# Altium PCB Motor Interface - Copy.PcbDoc (part 2 of 2)
Units mm, origin at the board's own origin, x right, y up, seen from the top; angles counter-clockwise.
Board outline 100 x 100 mm, 2 copper layers (Top Layer, Bottom Layer); 126 components, 84 nets, 401 pads, 309 vias.
Unrouted connection lines stored in the file: 76.
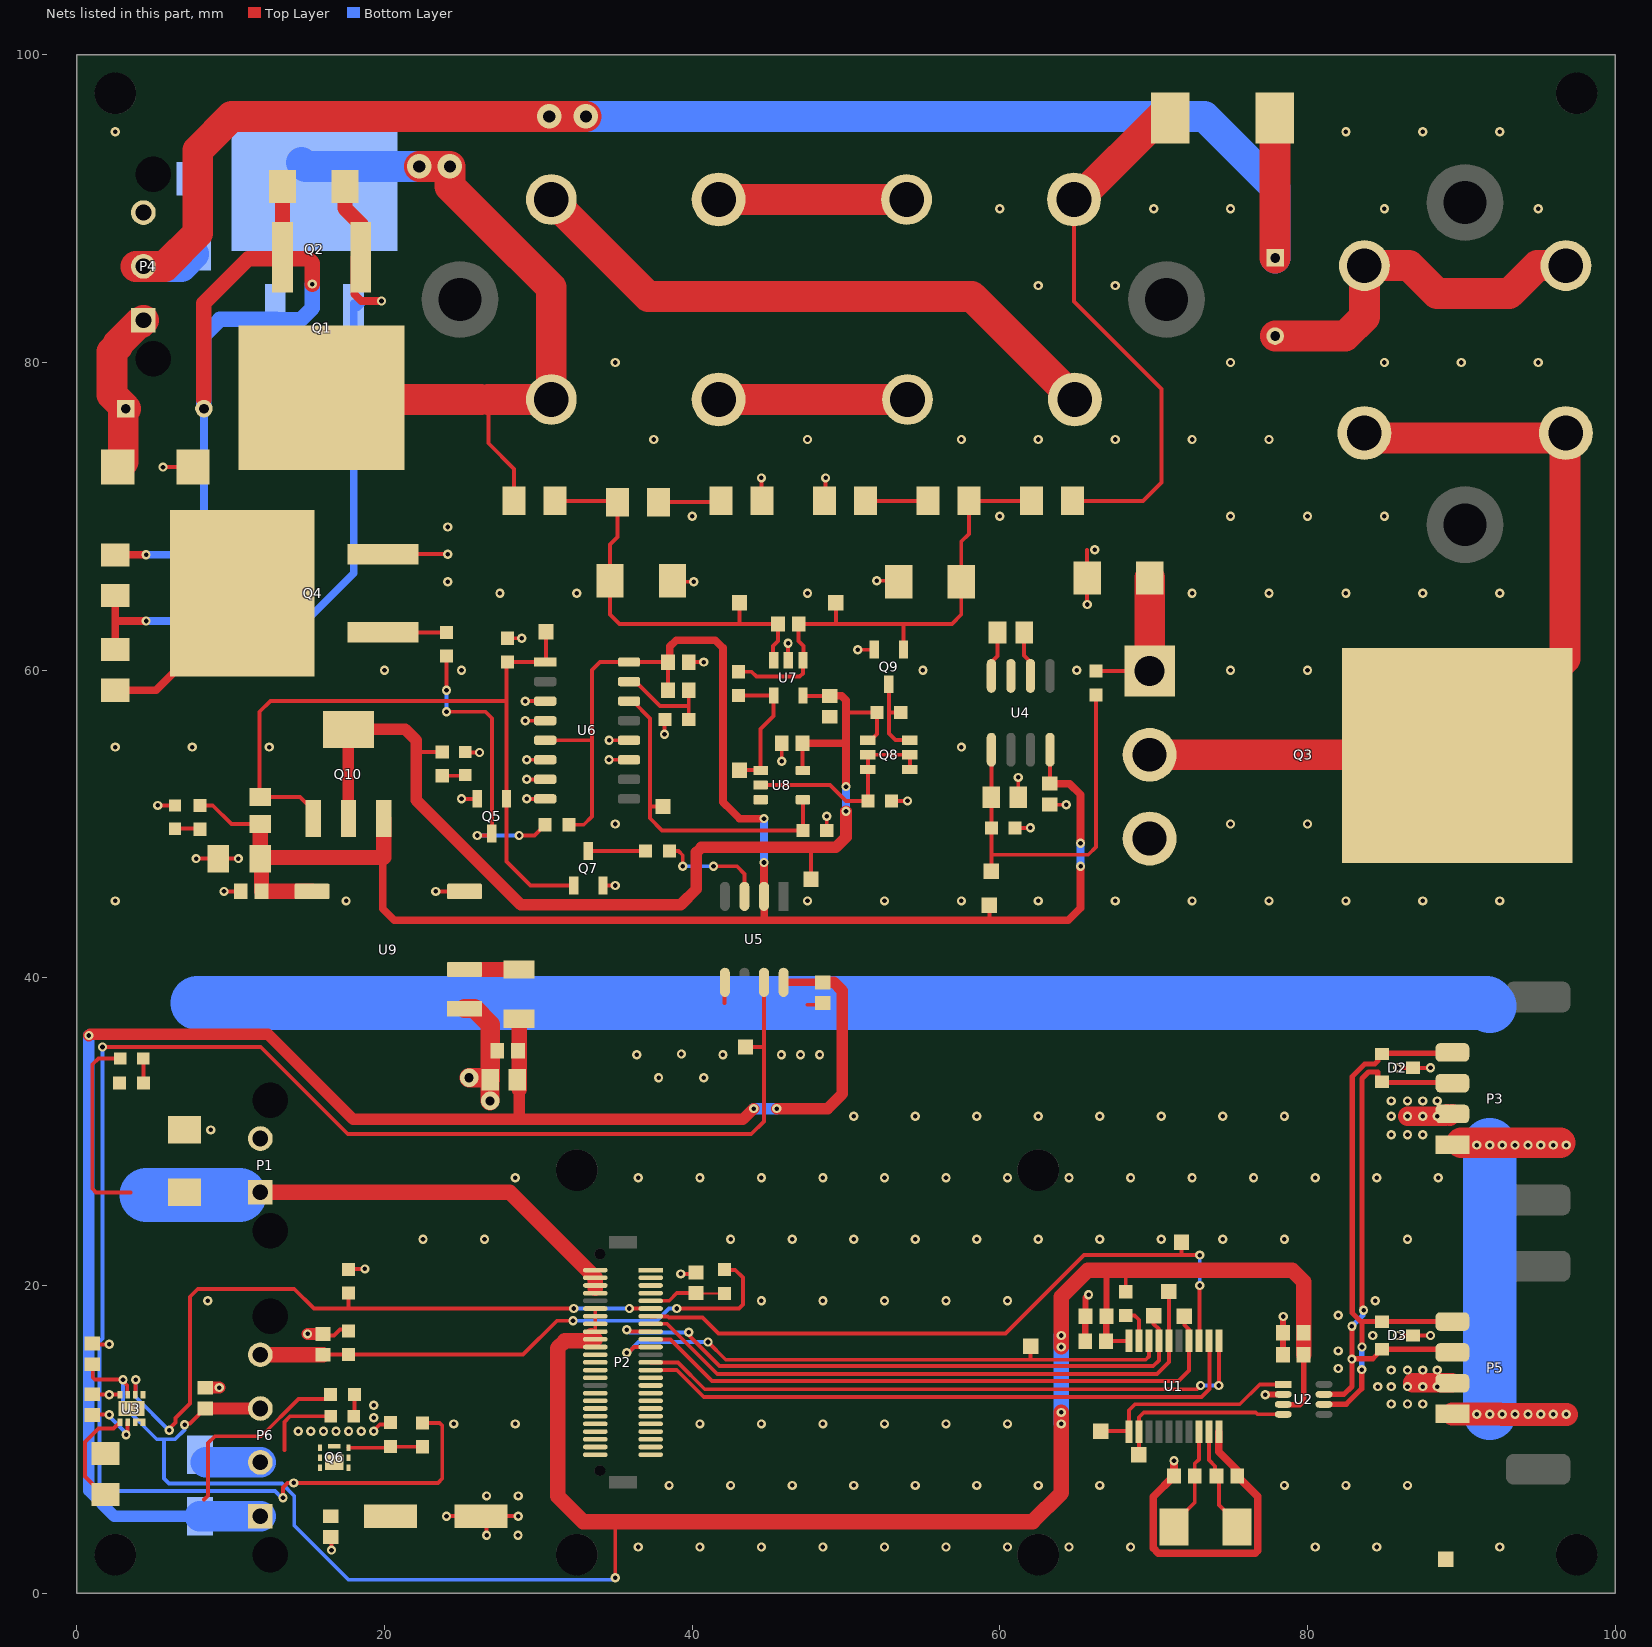
[diagram p2: the nets of this part, all layers, seen from the top]

## Part data (continued)
R11 R12: library part "RES SMD 470K OHM 0.1% 1/4W 1206", "470 kOhms ±0.1% 0.25W, 1/4W Chip Resistor 1206 (3216 Metric) Anti-Sulfur, Automotive AEC-Q200 Thin Film", Case/Package=1206, Case Code (Metric)=3216, Manufacturer=Susumu, Manufacturer Part Number=RG3216P-4703-B-T1, Max Operating Temperature=155°C, Max Power Dissipation=0.25W, Min Operating Temperature=-55°C, Package Quantity=1, Power Rating=125mW, Resistance=470k, Supplier Part Number 1=RG32P470KBDKR-ND, Temperature Coefficient=25ppm/°C, Tolerance=0.1%, Voltage Rating=150V, Voltage Rating (DC)=200V, Case Code (Imperial)=1206, ComponentLink1Description=https://datasheet.ciiva.com/2490/rg-rm-rgh-datasheet-2490488.pdf, ComponentLink1URL=https://datasheet.ciiva.com/2490/rg-rm-rgh-datasheet-2490488.pdf, ComponentLink2Description=https://datasheet.ciiva.com/2490/rg-rm-rgh-datasheet-2490489.pdf, ComponentLink2URL=https://datasheet.ciiva.com/2490/rg-rm-rgh-datasheet-2490489.pdf, ComponentLink3Description=https://datasheet.ciiva.com/2490/rg-rm-rgh-datasheet-2490490.pdf, ComponentLink3URL=https://datasheet.ciiva.com/2490/rg-rm-rgh-datasheet-2490490.pdf, ComponentLink4Description=https://datasheet.ciiva.com/12760/rg-rm-rgh-datasheet-12760397.pdf, ComponentLink4URL=https://datasheet.ciiva.com/12760/rg-rm-rgh-datasheet-12760397.pdf, Composition="Thin Film", Height=0.02inch, Lead Free="Lead Free", Length=0.126inch, Number of Pins=2, Number of Terminations=2, Packaging="Tape and Reel", Pricing 1="1=0.66, 10=0.474, 100=0.2462 (USD)", Stock 1=2986, Supplier 1=Digi-Key, Termination=SMD/SMT, Width=0.063inch
R13: library part "RES SMD 29.4K OHM 1% 1/4W 1206", "29.4 kOhms ±1% 0.25W, 1/4W Chip Resistor 1206 (3216 Metric) Automotive AEC-Q200 Thick Film", Case/Package=1206, Case Code (Metric)=3216, Manufacturer=Panasonic, Manufacturer Part Number=ERJ-8ENF2942V, Max Operating Temperature=155°C, Max Power Dissipation=250mW, Min Operating Temperature=-55°C, Package Quantity=1, Resistance=29.4kR, Supplier Part Number 1=P29.4KFCT-ND, Temperature Coefficient=100ppm/°C, Tolerance=1%, Voltage Rating=200V, Case Code (Imperial)=1206, ComponentLink1Description=https://datasheet.ciiva.com/7861/426256-7861912.pdf, ComponentLink1URL=https://datasheet.ciiva.com/7861/426256-7861912.pdf, ComponentLink2Description=https://datasheet.ciiva.com/24126/aoa0000ce2-24126731.pdf, ComponentLink2URL=https://datasheet.ciiva.com/24126/aoa0000ce2-24126731.pdf, ComponentLink3Description=https://datasheet.ciiva.com/6159/426256-6159628.pdf, ComponentLink3URL=https://datasheet.ciiva.com/6159/426256-6159628.pdf, ComponentLink4Description=https://datasheet.ciiva.com/9191/aoa0000ce2-9191007.pdf, ComponentLink4URL=https://datasheet.ciiva.com/9191/aoa0000ce2-9191007.pdf, Composition="Thick Film", Contact Plating=Tin, Depth=1.6mm, Height=0.028inch, Length=3.2mm, Military Standard=Not, Mount="Surface Mount", Number of Terminations=2, Packaging="Tape and Reel", Power Rating=250mW, Pricing 1="1=0.11, 10=0.097, 100=0.0373, 1000=0.01641, 2500=0.01417 (USD)", REACH SVHC="No SVHC", Stock 1=24502, Supplier 1=Digi-Key, Termination=SMD/SMT, Voltage Rating (DC)=200V, Weight=0.000571oz, Width=0.063inch
R15: library part "RES SMD 470K OHM 0.1% 1/4W 1206", "470 kOhms ±0.1% 0.25W, 1/4W Chip Resistor 1206 (3216 Metric) Anti-Sulfur, Automotive AEC-Q200 Thin Film", Case/Package=1206, Case Code (Metric)=3216, Manufacturer=Susumu, Manufacturer Part Number=RG3216P-4703-B-T1, Max Operating Temperature=155°C, Max Power Dissipation=250mW, Min Operating Temperature=-55°C, Package Quantity=1, Power Rating=125mW, Resistance=470kR, Supplier Part Number 1=RG32P470KBDKR-ND, Temperature Coefficient=25ppm/°C, Tolerance=0.1%, Voltage Rating=150V, Voltage Rating (DC)=200V, Case Code (Imperial)=1206, ComponentLink1Description=https://datasheet.ciiva.com/2490/rg-rm-rgh-datasheet-2490488.pdf, ComponentLink1URL=https://datasheet.ciiva.com/2490/rg-rm-rgh-datasheet-2490488.pdf, ComponentLink2Description=https://datasheet.ciiva.com/2490/rg-rm-rgh-datasheet-2490489.pdf, ComponentLink2URL=https://datasheet.ciiva.com/2490/rg-rm-rgh-datasheet-2490489.pdf, ComponentLink3Description=https://datasheet.ciiva.com/2490/rg-rm-rgh-datasheet-2490490.pdf, ComponentLink3URL=https://datasheet.ciiva.com/2490/rg-rm-rgh-datasheet-2490490.pdf, ComponentLink4Description=https://datasheet.ciiva.com/12760/rg-rm-rgh-datasheet-12760397.pdf, ComponentLink4URL=https://datasheet.ciiva.com/12760/rg-rm-rgh-datasheet-12760397.pdf, Composition="Thin Film", Height=0.02inch, Lead Free="Lead Free", Length=0.126inch, Number of Pins=2, Number of Terminations=2, Packaging="Tape and Reel", Pricing 1="1=0.66, 10=0.474, 100=0.2462 (USD)", Stock 1=2986, Supplier 1=Digi-Key, Termination=SMD/SMT, Width=0.063inch
R17: library part "RES SMD 29.4K OHM 1% 1/4W 1206", "29.4 kOhms ±1% 0.25W, 1/4W Chip Resistor 1206 (3216 Metric) Automotive AEC-Q200 Thick Film", Case/Package=1206, Case Code (Metric)=3216, Manufacturer=Panasonic, Manufacturer Part Number=ERJ-8ENF2942V, Max Operating Temperature=155°C, Max Power Dissipation=0.25W, Min Operating Temperature=-55°C, Package Quantity=1, Power Rating=250mW, Resistance=29.4k, Supplier Part Number 1=P29.4KFCT-ND, Temperature Coefficient=100ppm/°C, Tolerance=1%, Voltage Rating=200V, Case Code (Imperial)=1206, ComponentLink1Description=https://datasheet.ciiva.com/7861/426256-7861912.pdf, ComponentLink1URL=https://datasheet.ciiva.com/7861/426256-7861912.pdf, ComponentLink2Description=https://datasheet.ciiva.com/24126/aoa0000ce2-24126731.pdf, ComponentLink2URL=https://datasheet.ciiva.com/24126/aoa0000ce2-24126731.pdf, ComponentLink3Description=https://datasheet.ciiva.com/6159/426256-6159628.pdf, ComponentLink3URL=https://datasheet.ciiva.com/6159/426256-6159628.pdf, ComponentLink4Description=https://datasheet.ciiva.com/9191/aoa0000ce2-9191007.pdf, ComponentLink4URL=https://datasheet.ciiva.com/9191/aoa0000ce2-9191007.pdf, Composition="Thick Film", Contact Plating=Tin, Depth=1.6mm, Height=0.028inch, Length=3.2mm, Military Standard=Not, Mount="Surface Mount", Number of Terminations=2, Packaging="Tape and Reel", Pricing 1="1=0.11, 10=0.097, 100=0.0373, 1000=0.01641, 2500=0.01417 (USD)", REACH SVHC="No SVHC", Stock 1=24502, Supplier 1=Digi-Key, Termination=SMD/SMT, Voltage Rating (DC)=200V, Weight=0.000571oz, Width=0.063inch
R18: library part "RES SMD 33K OHM 0.1% 1/4W 1206", "33 kOhms ±0.1% 0.25W, 1/4W Chip Resistor 1206 (3216 Metric) Thin Film", Case/Package=1206, Case Code (Metric)=3216, Manufacturer=Yageo, Manufacturer Part Number=RT1206BRD0733KL, Max Operating Temperature=125°C, Max Power Dissipation=0.25W, Min Operating Temperature=-55°C, Package Quantity=5000, Power Rating=250mW, Resistance=33k, Supplier Part Number 1=YAG2038CT-ND, Temperature Coefficient=25ppm/°C, Tolerance=0.1%, Voltage Rating=200V, Case Code (Imperial)=1206, ComponentLink1Description=https://datasheet.ciiva.com/2587/pyu-rt-1-to-0-05-rohs-l-4-2587636.pdf, ComponentLink1URL=https://datasheet.ciiva.com/2587/pyu-rt-1-to-0-05-rohs-l-4-2587636.pdf, ComponentLink2Description=https://datasheet.ciiva.com/46634/pyu-rt-1-to-0-05-rohs-l-5-46634965.pdf, ComponentLink2URL=https://datasheet.ciiva.com/46634/pyu-rt-1-to-0-05-rohs-l-5-46634965.pdf, Composition="Thin Film", Contact Plating=Tin,Matte, Depth=1.6mm, Height=0.026inch, Lead Free="Lead Free", Length=0.122inch, Military Standard=Not, Number of Terminations=2, Packaging="Tape and Reel", Pricing 1="1=0.68, 10=0.523, 100=0.22, 1000=0.12137, 2500=0.11378 (USD)", Radiation Hardening=No, Stock 1=13446, Supplier 1=Digi-Key, Termination=SMD/SMT, Voltage Rating (DC)=200V, Width=0.063inch
R19: "RES SMD 40.2 OHM 0.5% 1/10W 0603", Manufacturer 1=Yageo, Manufacturer Part Number 1=RT0603DRE0740R2L, Operating Temperature="-55°C ~ 155°C", Package / Case="0603 (1608 Metric)", Power=1/10W, Resistance=40.2, Supplier Device Package=0603, Supplier Part Number 1=311-2576-1-ND, Temperature Coefficient=±50ppm/°C, Tolerance=±0.5%, ComponentLink1Description=http://www.yageo.com/documents/recent/PYu-RT_1-to-0.01_RoHS_L_7.pdf, ComponentLink1URL=http://www.yageo.com/documents/recent/PYu-RT_1-to-0.01_RoHS_L_7.pdf, Composition="Thin Film", Failure Rate=-, Height - Seated (Max)="0.022\" (0.55mm)", Packaging="Cut Tape (CT)", Part Status=Active, Size / Dimension="0.063\" L x 0.031\" W (1.60mm x 0.80mm)", Supplier 1=Digi-Key
R20 R25: "22.1 Ohm ±1% 0.1W, 1/10W Chip Resistor 0603 (1608 Metric) Moisture Resistant Thick Film", Manufacturer 1=Yageo, Manufacturer Part Number 1=RC0603FR-0722R1L, Operating Temperature="-55°C ~ 155°C", Package / Case="0603 (1608 Metric)", Power=1/10W, Resistance=22.1, Supplier Device Package=0603, Supplier Part Number 1=311-22.1HRCT-ND, Temperature Coefficient=±100ppm/°C, Tolerance=±1%, ComponentLink1Description=http://www.yageo.com/documents/recent/PYu-RC_Group_51_RoHS_L_7.pdf, ComponentLink1URL=http://www.yageo.com/documents/recent/PYu-RC_Group_51_RoHS_L_7.pdf, Composition="Thick Film", Failure Rate=-, Height - Seated (Max)="0.022\" (0.55mm)", Packaging="Cut Tape (CT)", Part Status=Active, Size / Dimension="0.063\" L x 0.031\" W (1.60mm x 0.80mm)", Supplier 1=Digi-Key
R22: "0 Ohms Jumper 0.25W, 1/4W Chip Resistor 1206 (3216 Metric) Automotive AEC-Q200 Thick Film", Case/Package=1206, Case Code (Metric)=3216, Manufacturer=Vishay, Manufacturer Part Number=CRCW12060000Z0EA, Max Operating Temperature=155°C, Min Operating Temperature=-55°C, Package Quantity=5000, Power Rating=0.25W, Resistance=0R, Supplier Part Number 1=541-0.0ECT-ND, Temperature Coefficient=100ppm/°C, Tolerance=1%, Voltage Rating=200V, Case Code (Imperial)=1206, ComponentLink1Description=https://datasheet.ciiva.com/16720/70201119-16720117.pdf, ComponentLink1URL=https://datasheet.ciiva.com/16720/70201119-16720117.pdf, ComponentLink2Description=https://datasheet.ciiva.com/7841/1720486-7841862.pdf, ComponentLink2URL=https://datasheet.ciiva.com/7841/1720486-7841862.pdf, ComponentLink3Description=https://datasheet.ciiva.com/16364/dcrcwe3-16364998.pdf, ComponentLink3URL=https://datasheet.ciiva.com/16364/dcrcwe3-16364998.pdf, ComponentLink4Description=https://datasheet.ciiva.com/5549/dcrcwe3-109170-5549528.pdf, ComponentLink4URL=https://datasheet.ciiva.com/5549/dcrcwe3-109170-5549528.pdf, ComponentLink5Description=https://datasheet.ciiva.com/7841/1697337-7841706.pdf, ComponentLink5URL=https://datasheet.ciiva.com/7841/1697337-7841706.pdf, ComponentLink6Description=https://datasheet.ciiva.com/11809/0900766b80d98b5e-11809211.pdf, ComponentLink6URL=https://datasheet.ciiva.com/11809/0900766b80d98b5e-11809211.pdf, ComponentLink7Description=https://datasheet.ciiva.com/16782/70201119-16782555.pdf, ComponentLink7URL=https://datasheet.ciiva.com/16782/70201119-16782555.pdf, Composition="Thick Film", Contact Plating=Tin, Depth=1.6mm, Height=0.55mm, Lead Free="Lead Free", Length=3.2mm, Military Standard=Not, Mount="Surface Mount", Packaging="Tape and Reel", Pricing 1="1=0.1, 10=0.064, 25=0.046, 50=0.0352, 100=0.0259, 250=0.01976, 500=0.0158, 1000=0.01163 (USD)", Radiation Hardening=No, REACH SVHC=Unknown, Stock 1=0, Supplier 1=Digi-Key, Termination=SMD/SMT, Voltage Rating (DC)=200V, Weight=0.000353oz, Width=1.6mm
R23: "2 kOhms ±0.1% 0.25W, 1/4W Chip Resistor 1206 (3216 Metric) Automotive AEC-Q200 Thin Film", Case/Package=1206, Case Code (Metric)=3216, Manufacturer=Panasonic, Manufacturer Part Number=ERA-8AEB202V, Max Operating Temperature=155°C, Max Power Dissipation=0.25W, Min Operating Temperature=-55°C, Package Quantity=5000, Power Rating=250mW, Resistance=2k, Supplier Part Number 1=P2.0KBCCT-ND, Temperature Coefficient=25ppm/°C, Tolerance=0.1%, Voltage Rating=150V, Case Code (Imperial)=1206, ComponentLink1Description=https://datasheet.ciiva.com/43458/391390-43458070.pdf, ComponentLink1URL=https://datasheet.ciiva.com/43458/391390-43458070.pdf, ComponentLink2Description=https://datasheet.ciiva.com/48529/era-eng-tds-48529591.pdf, ComponentLink2URL=https://datasheet.ciiva.com/48529/era-eng-tds-48529591.pdf, ComponentLink3Description=https://datasheet.ciiva.com/6082/391390-6082060.pdf, ComponentLink3URL=https://datasheet.ciiva.com/6082/391390-6082060.pdf, ComponentLink4Description=https://datasheet.ciiva.com/17214/aoa0000ce26-17214381.pdf, ComponentLink4URL=https://datasheet.ciiva.com/17214/aoa0000ce26-17214381.pdf, ComponentLink5Description=https://datasheet.ciiva.com/9197/aoa0000ce26-9197582.pdf, ComponentLink5URL=https://datasheet.ciiva.com/9197/aoa0000ce26-9197582.pdf, Composition="Metal Film,Thin Film", Contact Plating=Tin, Depth=1.6mm, Height=0.6mm, Lead Free="Lead Free", Length=3.2mm, Military Standard=Not, Mount="Surface Mount", Number of Pins=2, Number of Terminations=2, Packaging="Tape and Reel", Pricing 1="1=0.66, 10=0.474, 100=0.2465, 1000=0.13276, 2500=0.13095 (USD)", Radiation Hardening=No, REACH SVHC="No SVHC", Stock 1=43293, Supplier 1=Digi-Key, Termination=SMD/SMT, Voltage Rating (DC)=150V, Weight=0.000571oz, Width=0.063inch
R26: "1M Ohm ±1% 0.1W, 1/10W Chip Resistor 0603 (1608 Metric) Moisture Resistant Thick Film", Manufacturer 1=Yageo, Manufacturer Part Number 1=RC0603FR-071ML, Operating Temperature="-55°C ~ 155°C", Package / Case="0603 (1608 Metric)", Power (Watts)=1/10W, Resistance (Ohms)=1M, Supplier Device Package=0603, Supplier Part Number 1=311-1.00MHRCT-ND, Temperature Coefficient=±100ppm/°C, Tolerance=±1%, Category=Resistors, ComponentLink1Description=http://www.yageo.com/documents/recent/PYu-RC_Group_51_RoHS_L_7.pdf, ComponentLink1URL=http://www.yageo.com/documents/recent/PYu-RC_Group_51_RoHS_L_7.pdf, Composition="Thick Film", Description 1="RES SMD 1M OHM 1% 1/10W 0603", Failure Rate=-, Features="Moisture Resistant", Height - Seated (Max)="0.022\" (0.55mm)", Packaging="Cut Tape (CT)", Part Status=Active, Pricing 1="1=0.16, 10=0.022, 100=0.0089, 1000=0.00402, 2500=0.00349 (CAD)", RoHS="RoHS Compliant", Size / Dimension="0.063\" L x 0.031\" W (1.60mm x 0.80mm)", Stock 1=2336711, Supplier 1=Digi-Key
R28 R36: library part "RES 1K OHM 5% 1/10W 0603", "1k Ohm ±5% 0.1W, 1/10W Chip Resistor 0603 (1608 Metric)", Manufacturer=Yageo, Manufacturer Part Number=RC0603JR-071KL, Operating Temperature="-55°C ~ 155°C", Package / Case="0603 (1608 Metric)", Power (Watts)="0.1W, 1/10W", Resistance (Ohms)=1k, Supplier Device Package=0603, Supplier Part Number 1=311-1.0KGRCT-ND, Temperature Coefficient=±100ppm/°C, Tolerance=±5%, Category=Resistors, ComponentLink1Description=http://www.yageo.com/documents/recent/PYu-RC_Group_51_RoHS_L_7.pdf, ComponentLink1URL=http://www.yageo.com/documents/recent/PYu-RC_Group_51_RoHS_L_7.pdf, Composition="Thick Film", Failure Rate=-, Features="Moisture Resistant", Height - Seated (Max)="0.022\" (0.55mm)", Packaging="Cut Tape (CT)", Part Status=Active, Pricing 1="1=0.15, 10=0.017, 100=0.0071, 1000=0.0032, 2500=0.00278 (CAD)", RoHS="RoHS Compliant", Size / Dimension="0.063\" L x 0.031\" W (1.60mm x 0.80mm)", Stock 1=4415240, Supplier 1=Digi-Key
U1: library part "IC CAN SPI CONTROLLER MCP2515T-I/ST 20-TSSOP", "CAN Controller CAN 2.0 SPI Interface 20-TSSOP", Current - Supply=10mA, Manufacturer="Microchip Technology", Manufacturer Part Number=MCP2515T-I/ST, Operating Temperature="-40°C ~ 85°C", Package / Case="20-TSSOP (0.173\", 4.40mm Width)", Supplier Device Package=20-TSSOP, Supplier Part Number 1=MCP2515T-I/STCT-ND, Voltage - Supply="2.7 V ~ 5.5 V", Base Part Number=MCP2515, Category="Integrated Circuits (ICs)", ComponentLink1Description=http://www.microchip.com/mymicrochip/filehandler.aspx?ddocname=en011733, ComponentLink1URL=http://www.microchip.com/mymicrochip/filehandler.aspx?ddocname=en011733, Function=Controller, Interface=SPI, Packaging="Cut Tape (CT)", Part Status=Active, Pricing 1="1=3.04, 25=2.5372, 100=2.3076 (CAD)", Protocol=CAN, RoHS="RoHS Compliant", Standards="CAN 2.0", Stock 1=27278, Supplier 1=Digi-Key
U2: "1/1 Transceiver CAN 8-SOIC", Digikey Part Number=296-43711-1-ND, Manufacturer Part Number=TCAN332DR, Supplier 1=Digi-Key, Supplier Part Number 1=296-43711-1-ND
U3: "NCP45521IMNTWG-H", Current - Output (Max)=10.5A, Manufacturer="ON Semiconductor", Operating Temperature="-40°C ~ 85°C (TA)", Package / Case="8-VFDFN Exposed Pad", Supplier Device Package="8-DFN (2x2)", Voltage - Load="0.5 V ~ 13.5 V", Voltage - Supply (Vcc/Vdd)="3 V ~ 5.5 V", Category="Integrated Circuits (ICs)", ComponentLink1Description=http://www.onsemi.com/pub/Collateral/NCP45520-D.PDF, ComponentLink1URL=http://www.onsemi.com/pub/Collateral/NCP45520-D.PDF, Fault Protection="Over Temperature, UVLO", Features="Slew Rate Controlled", Input Type=Non-Inverting, Interface=On/Off, Manufacturer Part Number=NCP45521IMNTWG-H, Number of Outputs=1, Output Configuration="High Side", Output Type=N-Channel, Packaging=Digi-Reel®, Part Status=Active, Pricing 1="1=1.57, 10=1.405, 100=1.0957, 500=0.90518, 1000=0.71462 (CAD)", Pricing 2="1=1.53, 10=1.372, 100=1.0702, 500=0.88408, 1000=0.69797 (CAD)", Ratio - Input:Output=1:1, Rds On (Typ)="12.8 mOhm", RoHS="RoHS Compliant", Stock 1=2377, Stock 2=2211, Supplier 1=Digi-Key, Supplier 2=Digi-Key, Supplier Part Number 2=NCP45521IMNTWG-HOSDKR-ND, Switch Type="General Purpose"
U4: "Charge Pump Switching Regulator IC Positive or Negative Fixed -Vin, 2Vin 1 Output 20mA 8-SOIC (0.154\", 3.90mm Width)", Case/Package=SOIC, Manufacturer=Microchip, Manufacturer Part Number=TC7662BEOA713, Max Input Voltage=15V, Max Operating Temperature=85°C, Max Output Current=20mA, Max Output Voltage=-15V, Min Operating Temperature=-40°C, Min Supply Voltage=1.5V, Output Power=470mW, Package Quantity=1, Supplier Part Number 1=TC7662BEOA713CT-ND, Switching Frequency=35kHz, ComponentLink1Description=https://datasheet.ciiva.com/2024/21469a-2024368.pdf, ComponentLink1URL=https://datasheet.ciiva.com/2024/21469a-2024368.pdf, ComponentLink2Description=https://datasheet.ciiva.com/2024/filehandler-aspxddocname-en026002-2024369.pdf, ComponentLink2URL=https://datasheet.ciiva.com/2024/filehandler-aspxddocname-en026002-2024369.pdf, ComponentLink3Description=https://datasheet.ciiva.com/16295/filehandler-aspxddocname-en011347-16295442.pdf, ComponentLink3URL=https://datasheet.ciiva.com/16295/filehandler-aspxddocname-en011347-16295442.pdf, ComponentLink4Description=https://datasheet.ciiva.com/3216/cn-21469a-3216331.pdf, ComponentLink4URL=https://datasheet.ciiva.com/3216/cn-21469a-3216331.pdf, ComponentLink5Description=https://datasheet.ciiva.com/18553/filehandler-aspxddocname-en026002-18553038.pdf, ComponentLink5URL=https://datasheet.ciiva.com/18553/filehandler-aspxddocname-en026002-18553038.pdf, ComponentLink6Description=https://datasheet.ciiva.com/4875/21469a-4875151.pdf, ComponentLink6URL=https://datasheet.ciiva.com/4875/21469a-4875151.pdf, Height=1.5mm, Lead Free="Lead Free", Length=5mm, Logic Function=Inverting, Max Supply Voltage=15V, Mount="Surface Mount", Number of Outputs=1, Number of Pins=8, Output Current=20mA, Output Voltage=-15V, Packaging="Tape and Reel", Pricing 1="1=2.29, 25=1.9056, 100=1.7304 (USD)", Radiation Hardening=No, Stock 1=59, Supplier 1=Digi-Key, Synchronous Rectifier=No, Topology="Charge Pump", Weight=0.006596oz, Width=3.99mm
U5: "Logic Output Optoisolator 5MBd Push-Pull, Totem Pole 3750Vrms 1 Channel 5kV/µs, 10kV/µs CMTI 8-SO Tall", Case/Package=SOIC, Forward Current=10mA, Forward Voltage=1.7V, Input Current=5mA, Isolation Voltage=3.75kV, Manufacturer="Broadcom Avago", Manufacturer Part Number=HCPL-0211-000E, Max Operating Temperature=85°C, Max Output Current=25mA, Max Output Voltage=20V, Max Power Dissipation=210mW, Min Operating Temperature=-40°C, Min Supply Voltage=4.5V, Package Quantity=100, Reverse Breakdown Voltage=5V, Supplier Part Number 1=516-1625-5-ND, Approvals=CSA,UL,VDE, ComponentLink1Description=http://uk.rs-online.com/webdocs/0ad5/0900766b80ad5e24.pdf, ComponentLink1URL=http://uk.rs-online.com/webdocs/0ad5/0900766b80ad5e24.pdf, ComponentLink2Description=https://www.verical.com/server-webapp/html/getDatasheet?partID=117687, ComponentLink2URL=https://www.verical.com/server-webapp/html/getDatasheet?partID=117687, ComponentLink3Description=http://datasheet.iiic.cc/avago_technologies/HCPL-0211-000E.pdf, ComponentLink3URL=http://datasheet.iiic.cc/avago_technologies/HCPL-0211-000E.pdf, ComponentLink4Description=https://produktinfo.conrad.com/datenblaetter/125000-149999/140038-da-01-en-OPTOKOPPLER_HCPL_0211_000E.pdf, ComponentLink4URL=https://produktinfo.conrad.com/datenblaetter/125000-149999/140038-da-01-en-OPTOKOPPLER_HCPL_0211_000E.pdf, Contact Plating=Matte,Tin, Data Rate=5Mbps, Direction=Unidirectional, Fall Time=7ns, Lead Free="Lead Free", Max Input Current=10mA, Max Supply Voltage=20V, Mount="Surface Mount,Through Hole", Number of Channels=1, Number of Elements=1, Number of Pins=8, Output Current=25mA, Output Current per Channel=25mA, Packaging=Rail/Tube, Power Dissipation=210mW, Propagation Delay=300ns, Radiation Hardening=No, REACH SVHC="No SVHC", Rise Time=30ns, RoHS=Yes, Stock 1=3605, Supplier 1=Digi-Key, Turn-On Delay Time=300ns
U6: "S-R Latch 4 Channel 1:1 IC Tri-State 16-TSSOP", Current - Output High, Low="6.8mA, 6.8mA", Manufacturer 1="Texas Instruments", Manufacturer Part Number 1=CD4043BDR, Operating Temperature="-55°C ~ 125°C", Package / Case="16-SOIC (0.154\", 3.90mm Width)", Supplier Device Package=16-SOIC, Supplier Part Number 1=296-31496-1-ND, Voltage - Supply="3 V ~ 18 V", Circuit=1:1, ComponentLink1Description=http://www.ti.com/lit/ds/symlink/cd4043b.pdf, ComponentLink1URL=http://www.ti.com/lit/ds/symlink/cd4043b.pdf, Delay Time - Propagation=50ns, Logic Type="S-R Latch", Mounting Type="Surface Mount", Output Type=Tri-State, Packaging="Cut Tape (CT)", Part Status=Active, Supplier 1=Digi-Key
U7: "Comparator General Purpose Open Collector SOT-23-5", Manufacturer="Texas Instruments", Manufacturer Part Number=TLV1701QDBVRQ1, Max Operating Temperature=125°C, Min Operating Temperature=-40°C, Supplier Part Number 1=296-47458-1-ND, ComponentLink1Description=Datasheet, ComponentLink1URL=http://www.ti.com/lit/ds/symlink/tlv1701-q1.pdf, Number of Channels=1, Stock 1=8944, Supplier 1=Digi-Key
U8: "AND Gate IC 1 Channel 5-SSOP", Current - Output High, Low="3.4mA, 3.4mA", Current - Quiescent (Max)=1µA, Manufacturer 1="Rohm Semiconductor", Manufacturer Part Number 1=BU4S81G2-TR, Operating Temperature="-40°C ~ 85°C", Package / Case="SC-74A, SOT-753", Supplier Device Package=5-SSOP, Supplier Part Number 1=BU4S81G2CT-ND, Voltage - Supply="3 V ~ 16 V", ComponentLink1Description=http://rohmfs.rohm.com/en/products/databook/datasheet/ic/logic_switch/standard_logic/bu4s81g2-e.pdf, ComponentLink1URL=http://rohmfs.rohm.com/en/products/databook/datasheet/ic/logic_switch/standard_logic/bu4s81g2-e.pdf, Logic Level - High="3.5 V ~ 11 V", Logic Level - Low="1.5 V ~ 4 V", Logic Type="AND Gate", Max Propagation Delay @ V, Max CL="30ns @ 15V, 50pF", Mounting Type="Surface Mount", Number of Circuits=1, Number of Inputs=2, Packaging="Cut Tape (CT)", Part Status=Active, Supplier 1=Digi-Key